# KiCad board schematic_MD.kicad_pcb (continued)
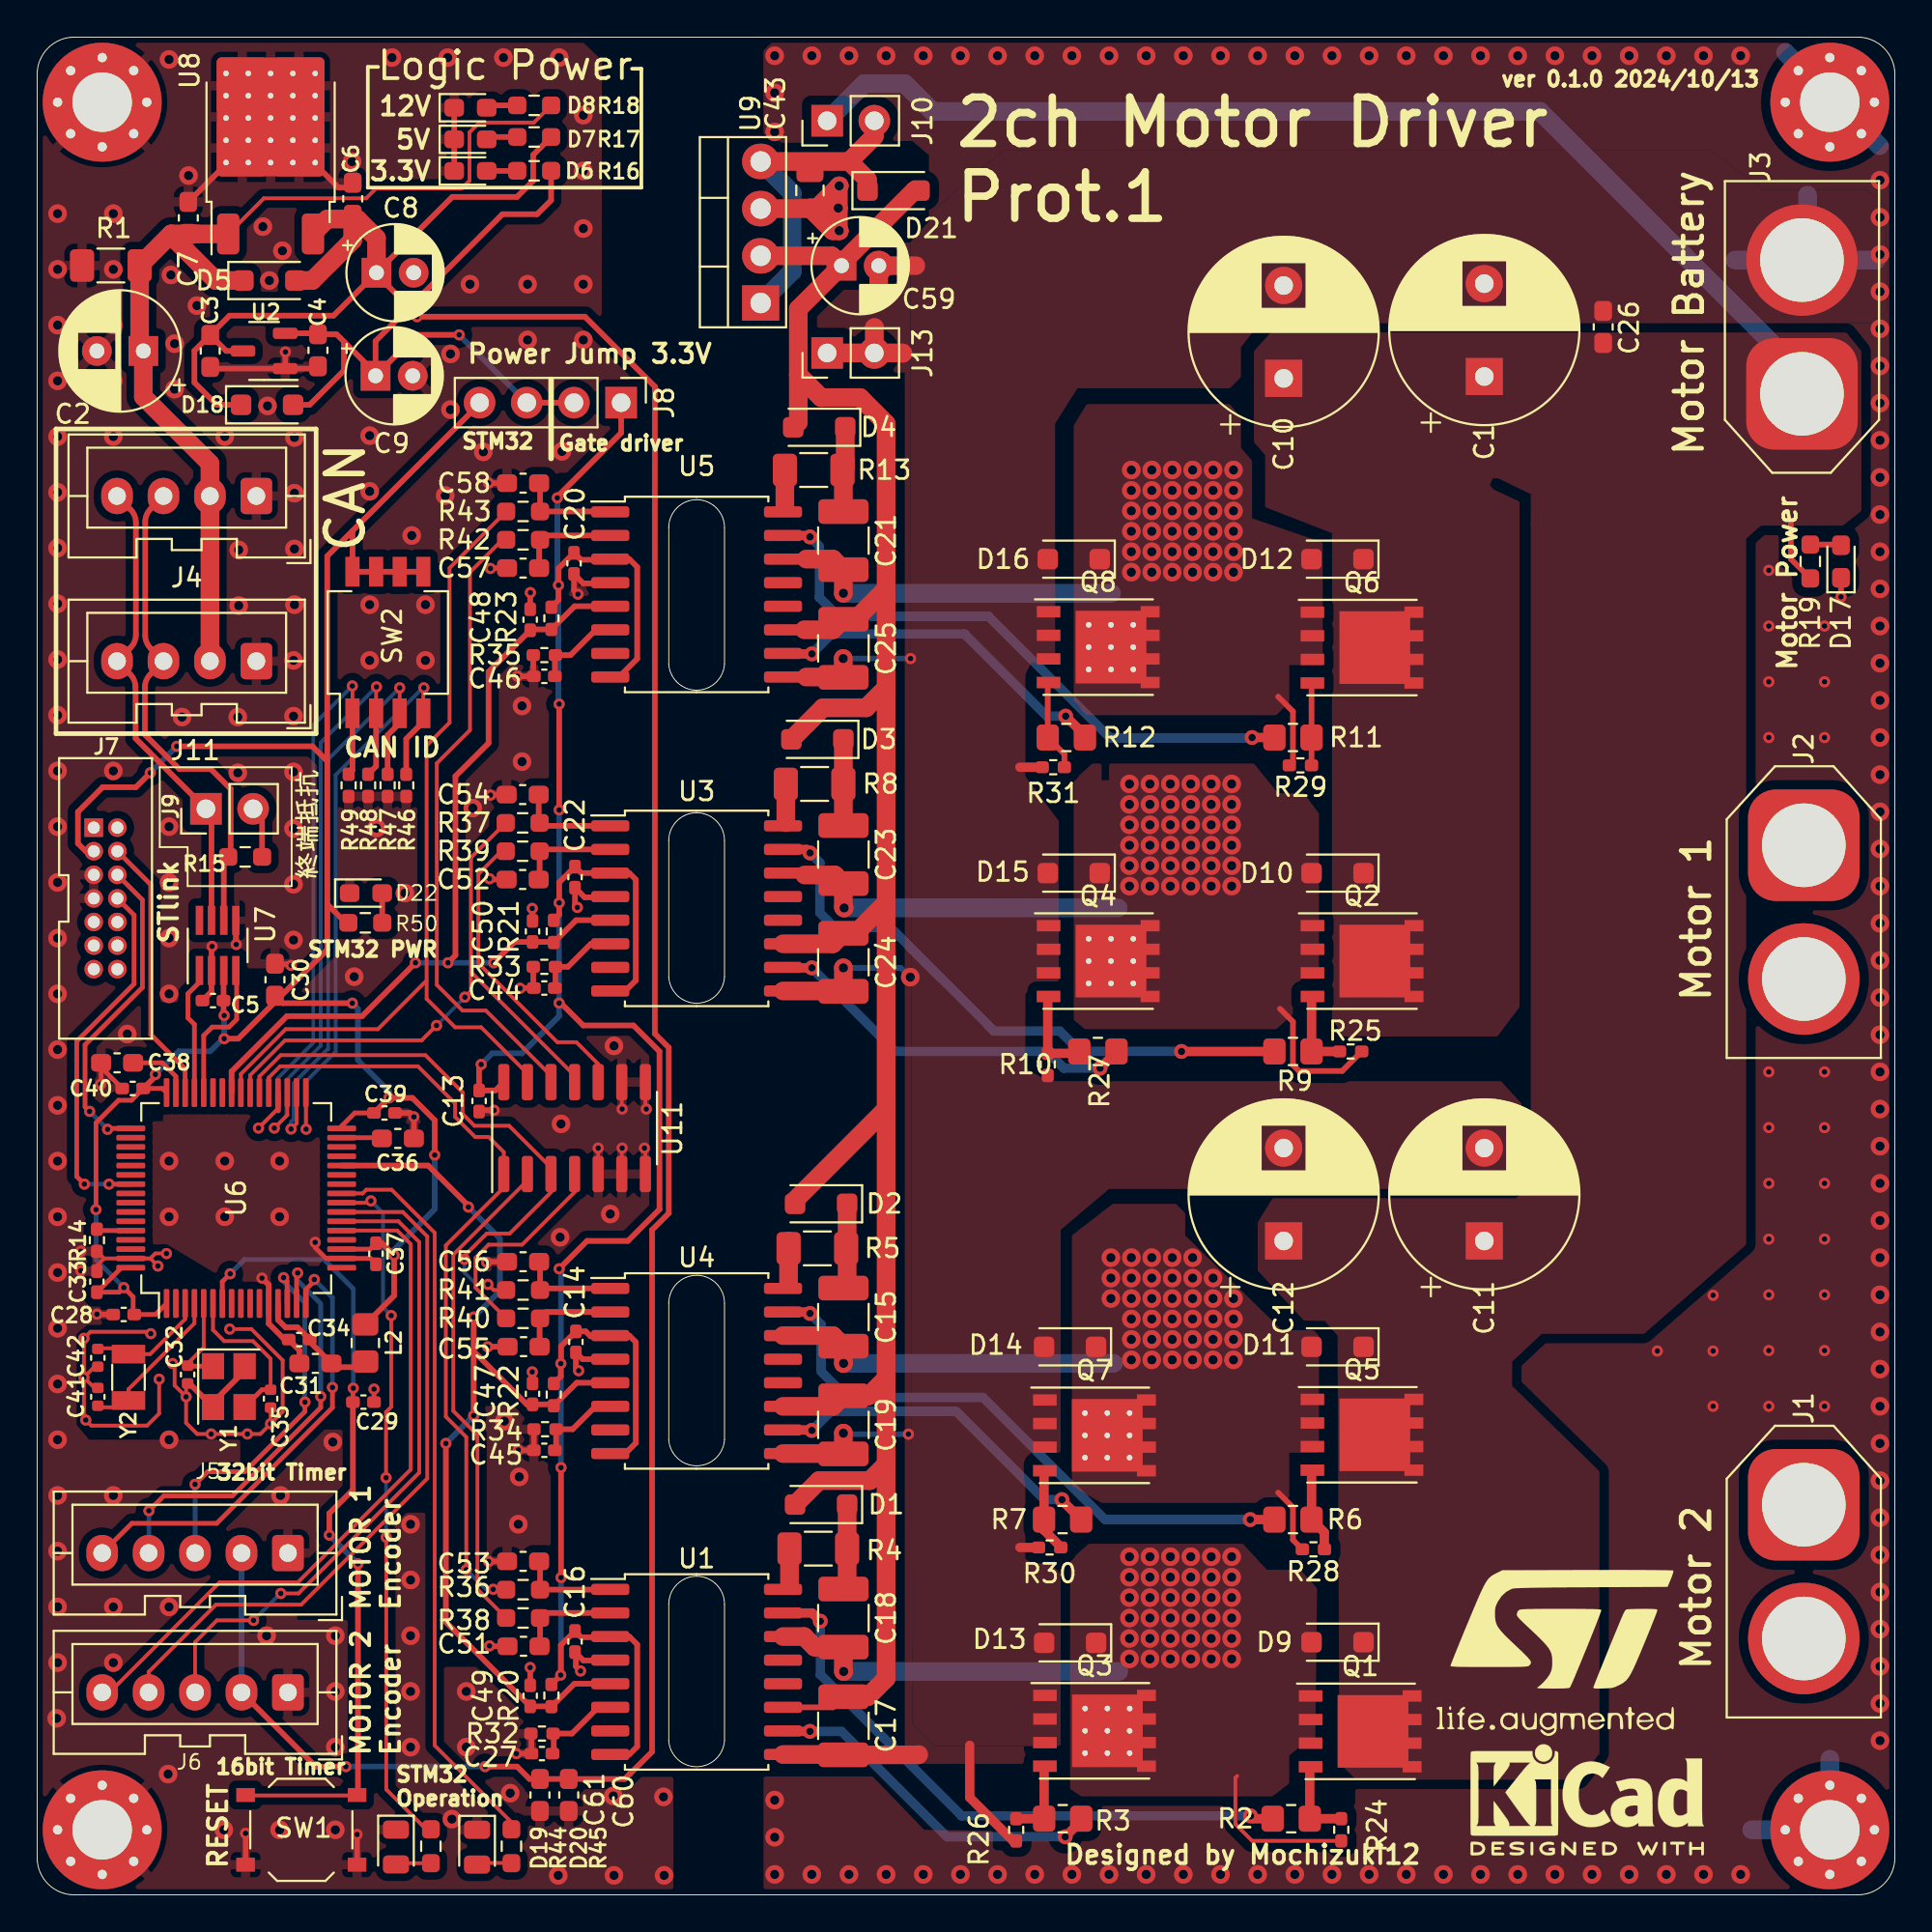
[diagram p0: board, top side]
## Routing (per net, layer and track width the routed paths; a pad name or vN(x,y) marks a point on that pad's centre or on a via; arc(x,y) is an arc through that point) (continued)
Net-(U5-OUTA): length 32.6
  Top w0.3: 41.53,73.17 v3(41.6,73.1)
  Top w0.5: U5.15 41.53,73.17 ; v3(65.4,62.3) R11.1
  Bottom w0.5: v3(41.6,73.1) 42.1,72.6 42.1,69.84 43.12,68.83 51.22,68.83 57.76,62.28 65.38,62.28 v3(65.4,62.3)
Net-(U5-OUTB): length 19.1
  Top w0.3: 40.17,66.8 U5.10
  Top w0.5: v3(55.37,63.45) 56.4,62.42 R12.1 ; v3(41.7,66.8) 40.17,66.8
  Bottom w0.5: v3(41.7,66.8) 42.78,67.88 49.92,67.88 54.35,63.45 v3(55.37,63.45)
Net-(U5-VDDA): length 1.9
  Top w1: R13.1 40.25,74.8
Net-(U6-BOOT0): length 1.9
  Top w0.25: 5.02,35.78 U6.60 3.29,35.76 R14.1
Net-(U6-PB12): length 33.4
  Top w0.2: v2(20.81,64.97) 20.78,64.94 SW2.4 ; U6.33 14.47,41.23 v2(14.48,41.22)
  Top w0.3: R46.1 19.87,62.23 20.78,63.14 SW2.4
  Bottom w0.2: v2(20.81,64.97) 20.77,64.97 16.06,60.28 16.06,45.38 14.48,43.79 v2(14.48,41.22)
Net-(U6-PB13): length 33.2
  Top w0.2: SW2.3 v2(19.52,64.97) ; v2(13.66,41.22) 13.97,41.53 U6.34
  Top w0.3: R47.1 18.86,62.42 19.52,63.08 SW2.3
  Bottom w0.2: v2(13.66,41.22) 13.66,41.61 13.81,41.76 13.81,43.69 15.66,45.54 15.66,61.12 v2(19.52,64.97)
Net-(U6-PB14): length 33.1
  Top w0.2: SW2.2 18.24,65 ; v2(12.77,41.28) 13.47,41.98 U6.35
  Top w0.3: 18.24,65 v2(18.27,65.03) ; SW2.2 18.24,60.75 R48.1
  Bottom w0.2: v2(18.27,65.03) 15.27,62.03 15.27,45.71 13.41,43.86 13.41,41.92 v2(12.77,41.28)
Net-(U6-PB15): length 33.1
  Top w0.2: v2(11.91,41.28) 12.87,42.23 12.97,42.23 ; SW2.1 16.97,65.06
  Top w0.3: 16.97,65.06 v2(16.97,65.08) ; 12.97,42.23 U6.36 ; R49.1 16.97,60.53 SW2.1
  Bottom w0.2: v2(11.91,41.28) 12.97,42.33 12.97,43.97 14.86,45.88 14.86,62.97 v2(16.97,65.08)
Net-(U6-PC4): length 37.1
  Top w0.2: 18.81,5.66 20.94,3.53 R44.1 ; v2(18.78,22.45) 18.78,25.99 19.06,26.27 v2(19.06,31.18) ; v2(17.97,37.36) 17.87,37.26 U6.24 ; v2(18.79,19.25) 18.79,5.67
  Bottom w0.2: v2(18.78,22.45) 18.78,19.26 v2(18.79,19.25) ; v2(17.97,37.36) 18.61,36.71 18.61,31.62 v2(19.06,31.18)
Net-(U6-PC5): length 39.9
  Top w0.2: U6.25 17.52,37.76 17.72,37.96 19.08,37.96 21.4,35.64 21.4,8.04 25.53,3.91 R45.1
Net-(U6-PC14): length 6.8
  Top w0.2: 4.6,29.42 3.18,29.42 ; U6.3 7.97,30.99 6.08,29.11 Y2.1
  Top w0.25: Y2.1 4.6,29.42
  Top w0.3: 5.09,28.98 5.04,28.98 Y2.1
Net-(U6-PC15): length 8.8
  Top w0.2: U6.4 8.47,30.77 4.92,27.22 Y2.2 ; 4.55,26.25 3.18,26.25
  Top w0.25: Y2.2 4.55,26.25
  Top w0.3: 5.09,26.57 4.96,26.57 Y2.2
Net-(U6-PH0): length 5.3
  Top w0.2: U6.5 8.97,29.47 8.1,28.6 C32.1 8.02,28.49
  Top w0.25: 9.47,28.46 8.05,28.46 8.02,28.49
Net-(U6-PH1): length 8.6
  Top w0.2: U6.6 9.47,30.41 10.07,29.81 11.62,29.81 12.57,28.86 C35.1
  Top w0.25: Y1.3 12.1,27.19 C35.1
Net-(U6-VCAP_1): length 2.1
  Top w0.25: U6.31 18.47,40.76 ; 18.51,40.77 18.56,40.72
Net-(U6-VCAP_2): length 3.5
  Top w0.25: U6.47 7.47,44.06 6.74,44.79 C38.1

## Copper pours and planes (outline as drawn; the poured copper is in the pictures)
GND1 on Top, Bottom: 2.29,100 -0.01,97.88 0.02,2.5 1.86,0 34.25,-0.2 34.25,82.8 33.3,83.85 31.35,83.85 30.4,84.65 30.4,98.75 29.1,100
GND1 on Bottom: 9,99.1 16.1,99.1 16.1,92 9,92
GND2 on Top: 48.3,8 47.1,9.2 47,89.6 52,93.9 90.1,93.9 92.9,91.8 98.5,91.8 99.5,90.9 99.6,85.3 98.7,84.6 65.8,84.6 64.8,83.3 64.8,81.7 64.2,81.1 56,81.1 54.8,79.2 54.8,66.3 53.5,66.3 53.2,65.7 53.2,60.2 55,57.8 55,49 53.7,49 53.2,48.5 53.2,44.5 54.4,43.8 78.8,43.8 79.9,42.6 79.9,38.8 78.7,38 57.7,38 55.1,35.8 55.1,23.8 53.5,23.8 53.2,23.5 53.2,18.1 53.55,17.85 54.5,17.85 55.1,17.3 55.1,8
GND2 on Top, Bottom: 100,100 39.84,100 39.09,99.28 39.1,-0.1 100,0
/Driver1/H-bridge_left on Top: 56.8,60.9 55.8,60 55.8,47.1 56.4,46.6 66.7,46.6 67.6,47.4 67.6,48.9 68.2,49.4 69,49.4 69,58.2 68.2,59.3 66.8,59.3 65.5,60.9
/Driver1/H-bridge_left on Bottom: 57.8,60 58.4,60.6 65.8,60.6 72.4,55.5 80.55,55.5 91.9,52.4 97.8,52.4 98.3,51.8 98.3,46.1 97.7,45.4 67.3,45.4 60.6,48.3 56.4,48.3 55.9,48.8 55.9,51.9 56.2,52.2 57.1,52.2 57.8,53
/Driver1/H-bridge_right on Top: 64.2,80.25 56.5,80.25 55.8,79.1 55.8,64.2 56.5,63.5 66.7,63.5 67.4,64.2 67.4,66.2 69.2,66.2 69.2,72.8 65.4,74.1 65.4,77.2 64.8,77.9 64.8,79.5
/Driver1/H-bridge_right on Bottom: 56.2,65.2 55.9,65.5 55.9,68.9 56.1,69.1 57.2,69.1 57.6,69.4 57.6,77 58.3,77.8 64.5,77.8 65.2,77.1 65.2,73.9 66.5,72.1 80,72.1 92.7,60.6 97.7,60.6 98.3,60 98.3,53.5 97.8,52.9 91.9,52.9 80.7,56.2 74.7,56.2 66.2,63.4 58.9,63.4 57.7,65.2
/Driver/H-bridge_left on Top: 66.2,17.5 64.9,18.9 56.6,18.9 55.6,18 55.6,5.7 56.2,5.3 66.5,5.3 67.4,6 67.4,7.5 68,8 68.8,8 68.9,16.5 68,17.5
/Driver/H-bridge_left on Bottom: 58.5,6.6 56,6.6 55.4,7.1 55.4,10.7 56.1,11.1 57.1,11.1 57.4,11.4 57.4,18.4 58.1,19.1 65,19.1 65.8,18.3 65.8,16.8 67.7,15 74.8,15 83.6,17.4 97.6,17.4 98.2,16.9 98.2,10.5 97.6,9.9 92.1,9.9 85.2,5.3 59.5,5.3
/Driver/H-bridge_right on Top: 61.8,35.5 61.8,36.7 61.3,37.2 57.9,37.2 55.7,35.5 55.7,22 57.3,21.1 67.4,21.1 67.4,23.8 69,23.8 69,30.1 68.7,30.4 67,30.4
/Driver/H-bridge_right on Bottom: 55.6,26.9 56.6,27.2 56.6,34.5 57.5,35.3 64.9,35.3 65.7,34.4 65.7,29.3 66.7,28.3 83.6,28.3 91.4,24.5 97.5,24.5 98.1,24 98.1,18.5 97.6,18 83.6,18 75.2,21 59.7,21 58.4,22.7 56.2,22.7 55.6,23.2
Vdrive on Top: 93,73.9 92,73 92,35 86.5,30.2 81,30.2 79.4,28.7 79.4,27.4 84.1,22.8 84.1,7.6 83,6.2 71,6.2 70.1,7.1 70,30.1 69.3,30.9 68.2,30.9 65.7,33.6 65.7,36.2 66.5,37.5 79.6,37.5 80.4,38.2 80.4,73.9
Vdrive on Top: 97.4,84.1 98.2,83.1 98.2,74.5 97.2,73.7 80.4,73.7 80.4,75.4 78.65,76.25 78.35,76.25 78.2,75.9 78.4,75.65 79.8,75 79.8,47.8 78.6,46.2 70.3,46.2 69.7,47.2 69.7,73.3 66.1,74.7 66.1,77.5 65.5,78.2 65.5,83.1 66.4,84.1

## Text on the board
F.Silkscreen: 16bit Timer | 32bit Timer | STM32 PWR | STM32 / Operation | STM32 | Gate driver | ver 0.1.0 2024/10/13 | 終端抵抗 | CAN ID | 3.3V | 12V | 5V | Power Jump 3.3V | Designed by Mochizuki12 | Motor Power | STlink | RESET | MOTOR 1 / Encoder | MOTOR 2 / Encoder | Logic Power | Motor Battery | Motor 1 | Motor 2 | CAN | 2ch Motor Driver / Prot.1
